# Altium PCB Minion_Rev2.PcbDoc (part 10 of 11)
Units mil, origin at the board's own origin, x right, y up, seen from the top; angles counter-clockwise.
Board outline 4724.41 x 6929.13 mil, 4 copper layers (L1, L2, L3, L4), stack 62.087 mil thick; 873 components, 147 nets, 5651 pads, 5666 vias.
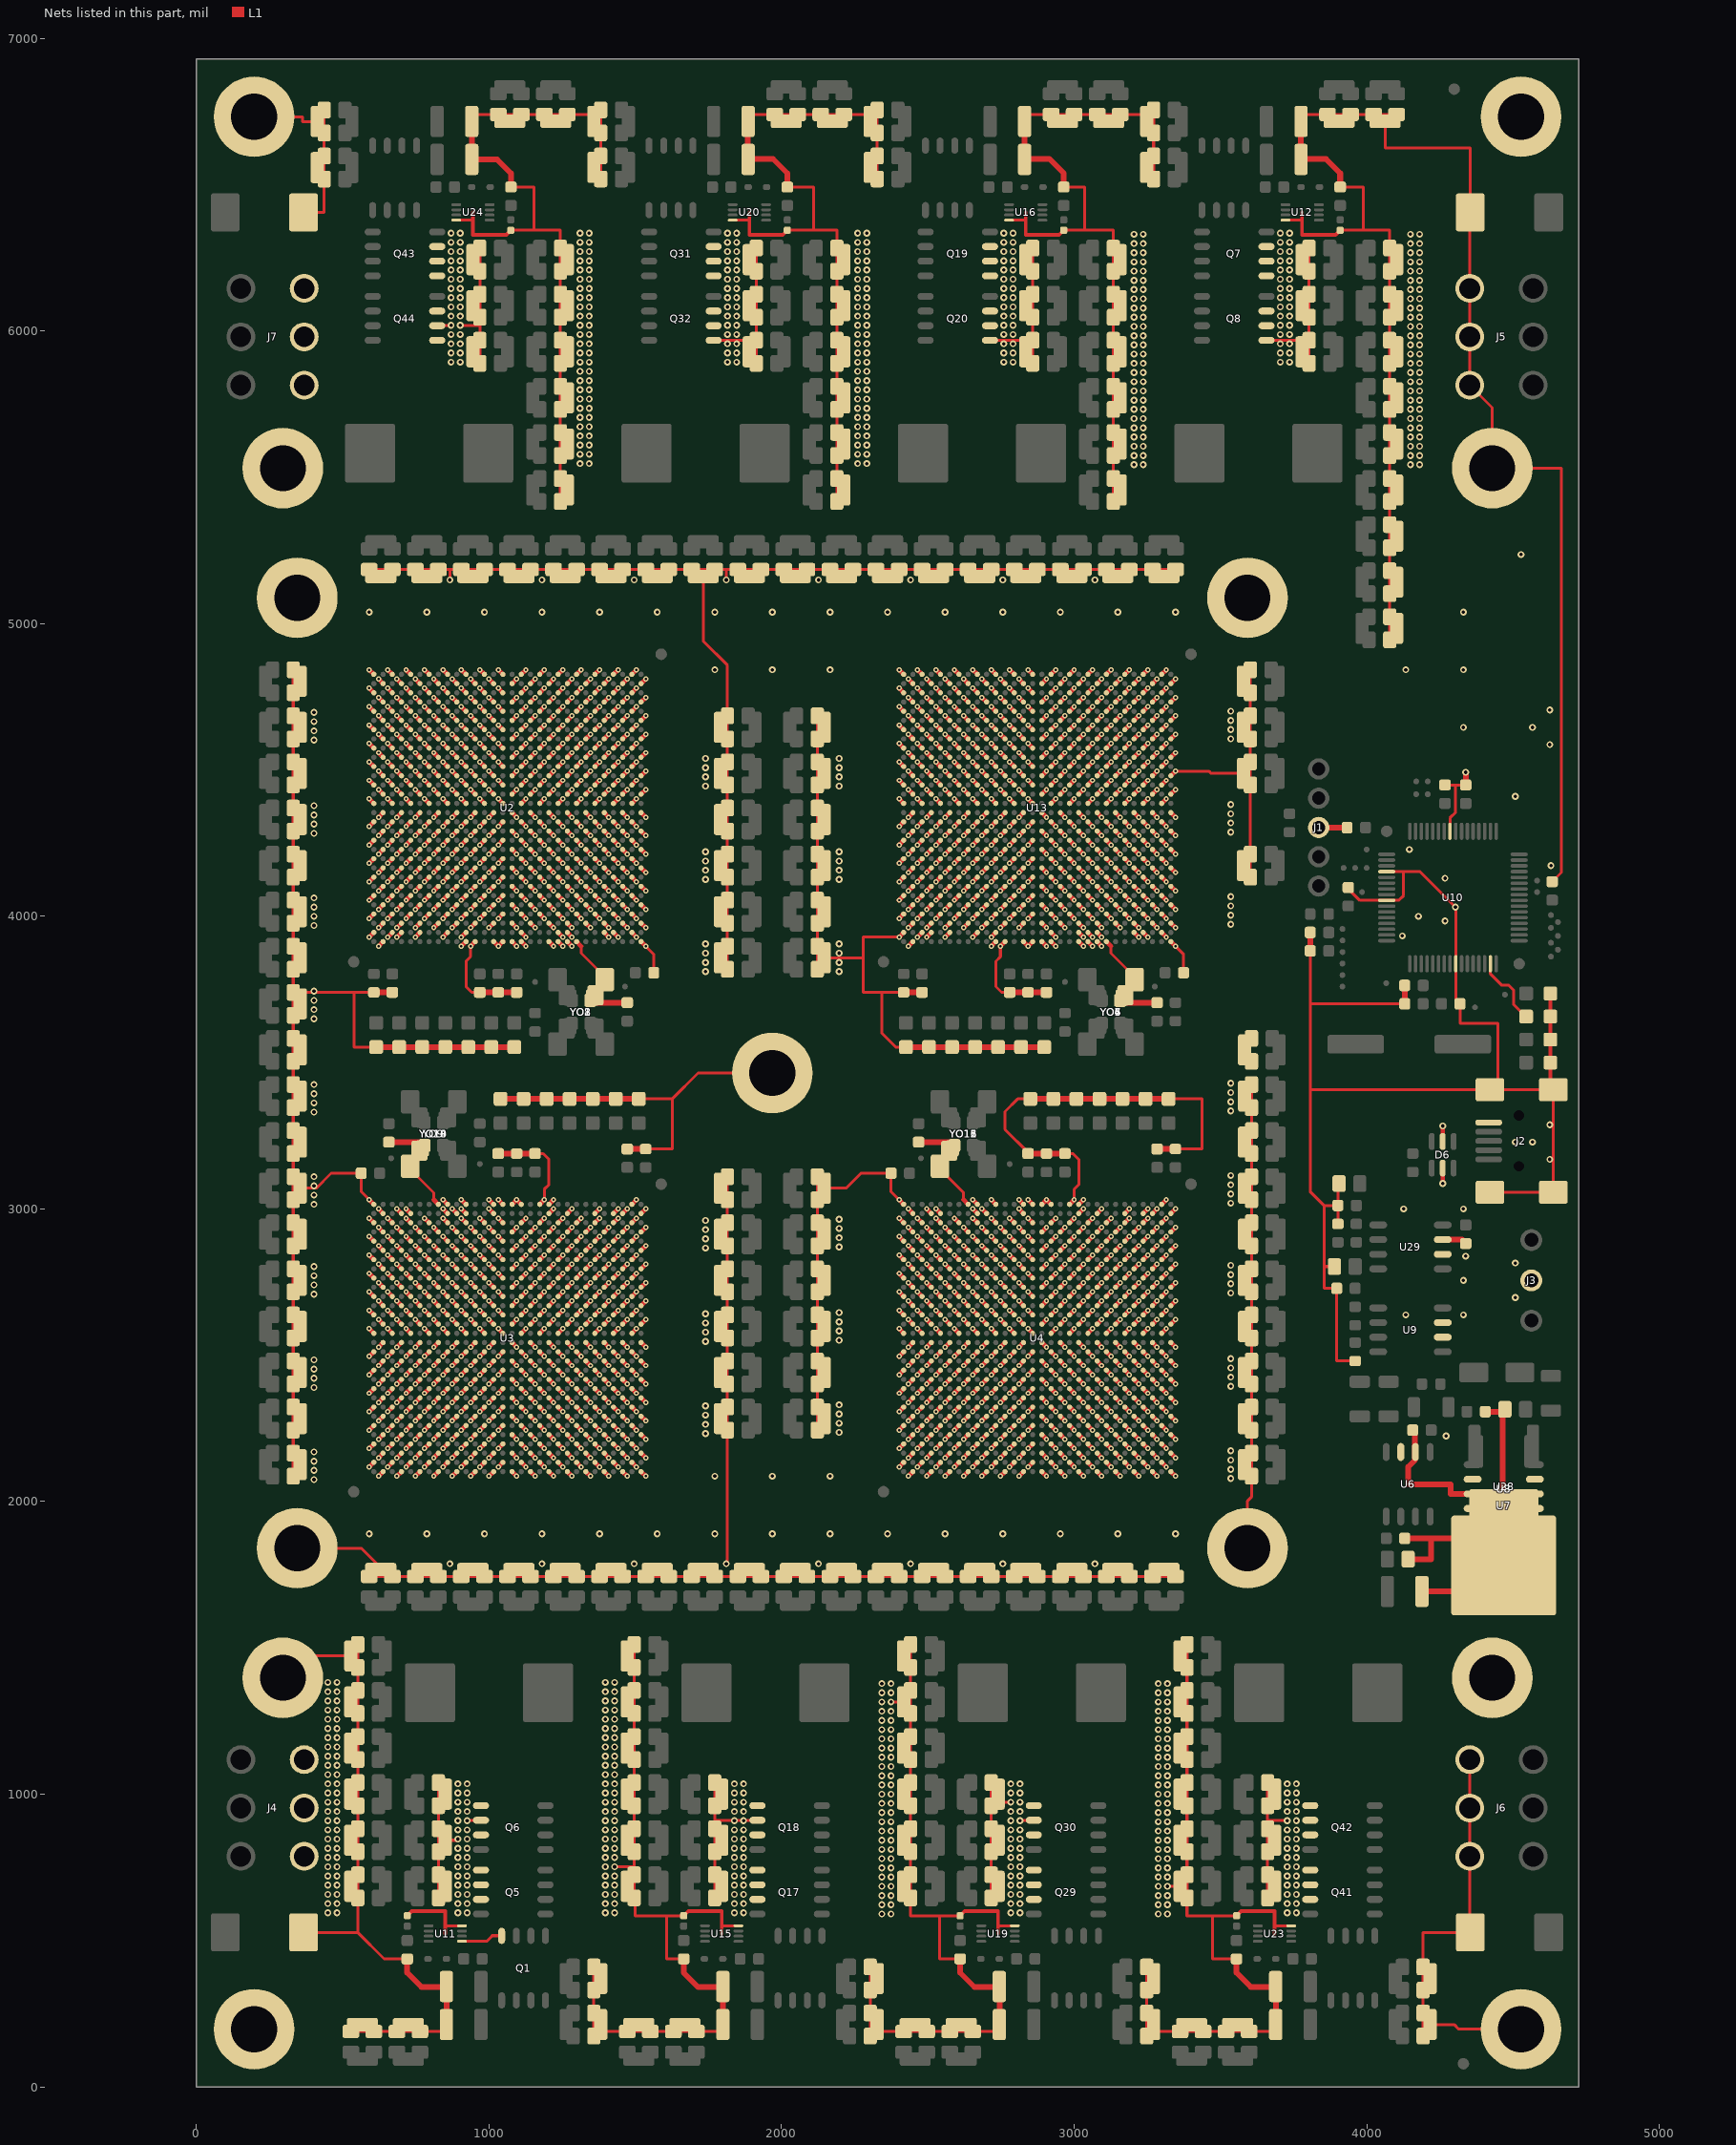
[diagram p12: the nets of this part, all layers, seen from the top]

## Via types
v1: diameter 17.72/17.72/17.72/17.72 (per signal layer), hole 7.87, L1 to L4, 3578 vias
v2: diameter 23.62/23.62/23.62/23.62 (per signal layer), hole 11.81, L1 to L4, 2088 vias

## Nets (pads, with @x,y where several pads share a name; then routed paths per layer and width w, separated by ;. In a path a pad name is that pad's centre, name@x,y a point inside that pad or via, vN(x,y) a via of type N, cw(c..) or ccw(c..) an arc to the next point about the centre after c; other vN are vias at no path point) (continued)
GND: (continued)
  L1 w15.75: v1(2622.05,2275.59) U4.G23@2637.8,2291.34 ; v1(2622.05,2338.58) U4.J23@2637.8,2354.33 ; v1(2622.05,2401.57) U4.L23@2637.8,2417.32 ; v1(2622.05,2464.57) U4.N23@2637.8,2480.31 ; v1(2622.05,2527.56) U4.R23@2637.8,2543.31 ; v1(2622.05,2622.05) U4.U23@2637.8,2606.3 ; v1(2622.05,2685.04) U4.W23@2637.8,2669.29 ; v1(2622.05,2748.03) U4.AA23@2637.8,2732.28 ; v1(2622.05,2811.02) U4.AC23@2637.8,2795.28 ; v1(2622.05,2874.02) U4.AE23@2637.8,2858.27 ; v1(2622.05,2937.01) U4.AG23@2637.8,2921.26 ; 2622.05,3031.5 U4.AK23@2637.8,3015.75 ; v1(2622.05,3960.63) U13.AH8@2637.8,3976.38 ; v1(2622.05,4023.62) U13.AF8@2637.8,4039.37 ; v1(2622.05,4086.61) U13.AD8@2637.8,4102.36 ; v1(2622.05,4149.61) U13.AB8@2637.8,4165.35 ; v1(2622.05,4212.6) U13.Y8@2637.8,4228.35 ; v1(2622.05,4275.59) U13.V8@2637.8,4291.34 ; v1(2622.05,4338.58) U13.T8@2637.8,4354.33 ; v1(2622.05,4433.07) U13.P8@2637.8,4417.32 ; v1(2622.05,4496.06) U13.M8@2637.8,4480.31 ; v1(2622.05,4559.06) U13.K8@2637.8,4543.31 ; v1(2622.05,4622.05) U13.H8@2637.8,4606.3 ; v1(2622.05,4685.04) U13.F8@2637.8,4669.29 ; v1(2622.05,4748.03) U13.D8@2637.8,4732.28 ; v1(2622.05,4811.02) U13.B8@2637.8,4795.28 ; v1(2653.54,2118.11) U4.B22@2669.29,2133.86 ; v1(2653.54,2181.1) U4.D22@2669.29,2196.85 ; v1(2653.54,2244.09) U4.F22@2669.29,2259.84 ; v1(2653.54,2307.09) U4.H22@2669.29,2322.83 ; v1(2653.54,2370.08) U4.K22@2669.29,2385.83 ; v1(2653.54,2433.07) U4.M22@2669.29,2448.82 ; v1(2653.54,2496.06) U4.P22@2669.29,2511.81 ; v1(2653.54,2590.55) U4.T22@2669.29,2574.8 ; v1(2653.54,2653.54) U4.V22@2669.29,2637.8 ; v1(2653.54,2716.54) U4.Y22@2669.29,2700.79 ; v1(2653.54,2779.53) U4.AB22@2669.29,2763.78 ; v1(2653.54,2842.52) U4.AD22@2669.29,2826.77 ; v1(2653.54,2905.51) U4.AF22@2669.29,2889.76 ; v1(2653.54,2968.5) U4.AH22@2669.29,2952.76 ; v1(2653.54,3000) U4.AJ22@2669.29,2984.25 ; v1(2653.54,3031.5) U4.AK22@2669.29,3015.75 ; v1(2653.54,3929.13) U13.AJ9@2669.29,3944.88 ; v1(2653.54,3992.13) U13.AG9@2669.29,4007.87 ; v1(2653.54,4055.12) U13.AE9@2669.29,4070.87 ; v1(2653.54,4118.11) U13.AC9@2669.29,4133.86 ; v1(2653.54,4181.1) U13.AA9@2669.29,4196.85 ; v1(2653.54,4244.09) U13.W9@2669.29,4259.84 ; v1(2653.54,4307.09) U13.U9@2669.29,4322.83 ; v1(2653.54,4401.57) U13.R9@2669.29,4385.83 ; v1(2653.54,4464.57) U13.N9@2669.29,4448.82 ; v1(2653.54,4527.56) U13.L9@2669.29,4511.81 ; v1(2653.54,4590.55) U13.J9@2669.29,4574.8 ; v1(2653.54,4653.54) U13.G9@2669.29,4637.8 ; v1(2653.54,4716.54) U13.E9@2669.29,4700.79 ; v1(2653.54,4779.53) U13.C9@2669.29,4763.78 ; v1(2653.54,4842.52) U13.A9@2669.29,4826.77 ; v1(2685.04,2086.61) U4.A21@2700.79,2102.36 ; v1(2685.04,2149.61) U4.C21@2700.79,2165.35 ; v1(2685.04,2212.6) U4.E21@2700.79,2228.35 ; v1(2685.04,2275.59) U4.G21@2700.79,2291.34 ; v1(2685.04,2338.58) U4.J21@2700.79,2354.33 ; v1(2685.04,2401.57) U4.L21@2700.79,2417.32 ; v1(2685.04,2464.57) U4.N21@2700.79,2480.31 ; v1(2685.04,2527.56) U4.R21@2700.79,2543.31 ; v1(2685.04,2622.05) U4.U21@2700.79,2606.3 ; v1(2685.04,2685.04) U4.W21@2700.79,2669.29 ; v1(2685.04,2748.03) U4.AA21@2700.79,2732.28 ; v1(2685.04,2811.02) U4.AC21@2700.79,2795.28 ; v1(2685.04,2874.02) U4.AE21@2700.79,2858.27 ; v1(2685.04,2937.01) U4.AG21@2700.79,2921.26 ; v1(2685.04,3000) U4.AJ21@2700.79,2984.25 ; v1(2685.04,3960.63) U13.AH10@2700.79,3976.38 ; v1(2685.04,4023.62) U13.AF10@2700.79,4039.37 ; v1(2685.04,4086.61) U13.AD10@2700.79,4102.36 ; v1(2685.04,4149.61) U13.AB10@2700.79,4165.35 ; v1(2685.04,4212.6) U13.Y10@2700.79,4228.35 ; v1(2685.04,4275.59) U13.V10@2700.79,4291.34 ; v1(2685.04,4338.58) U13.T10@2700.79,4354.33 ; v1(2685.04,4433.07) U13.P10@2700.79,4417.32 ; v1(2685.04,4496.06) U13.M10@2700.79,4480.31 ; v1(2685.04,4559.06) U13.K10@2700.79,4543.31 ; v1(2685.04,4622.05) U13.H10@2700.79,4606.3 ; v1(2685.04,4685.04) U13.F10@2700.79,4669.29 ; v1(2685.04,4748.03) U13.D10@2700.79,4732.28 ; v1(2685.04,4811.02) U13.B10@2700.79,4795.28 ; v1(2716.54,2118.11) U4.B20@2732.28,2133.86 ; v1(2716.54,2181.1) U4.D20@2732.28,2196.85 ; v1(2716.54,2244.09) U4.F20@2732.28,2259.84 ; v1(2716.54,2307.09) U4.H20@2732.28,2322.83 ; v1(2716.54,2370.08) U4.K20@2732.28,2385.83 ; v1(2716.54,2433.07) U4.M20@2732.28,2448.82 ; v1(2716.54,2496.06) U4.P20@2732.28,2511.81 ; v1(2716.54,2590.55) U4.T20@2732.28,2574.8 ; v1(2716.54,2653.54) U4.V20@2732.28,2637.8 ; v1(2716.54,2716.54) U4.Y20@2732.28,2700.79 ; v1(2716.54,2779.53) U4.AB20@2732.28,2763.78 ; v1(2716.54,2842.52) U4.AD20@2732.28,2826.77 ; v1(2716.54,2905.51) U4.AF20@2732.28,2889.76 ; v1(2716.54,2968.5) U4.AH20@2732.28,2952.76 ; v1(2716.54,3031.5) U4.AK20@2732.28,3015.75 ; v1(2716.54,3897.64) U13.AK11@2732.28,3913.39 ; v1(2716.54,3929.13) U13.AJ11@2732.28,3944.88 ; v1(2716.54,3992.13) U13.AG11@2732.28,4007.87 ; v1(2716.54,4055.12) U13.AE11@2732.28,4070.87 ; v1(2716.54,4118.11) U13.AC11@2732.28,4133.86 ; v1(2716.54,4181.1) U13.AA11@2732.28,4196.85 ; v1(2716.54,4244.09) U13.W11@2732.28,4259.84 ; v1(2716.54,4307.09) U13.U11@2732.28,4322.83 ; v1(2716.54,4401.57) U13.R11@2732.28,4385.83 ; v1(2716.54,4464.57) U13.N11@2732.28,4448.82 ; v1(2716.54,4527.56) U13.L11@2732.28,4511.81 ; v1(2716.54,4590.55) U13.J11@2732.28,4574.8 ; v1(2716.54,4653.54) U13.G11@2732.28,4637.8 ; v1(2716.54,4716.54) U13.E11@2732.28,4700.79 ; v1(2716.54,4779.53) U13.C11@2732.28,4763.78 ; v1(2716.54,4842.52) U13.A11@2732.28,4826.77 ; v1(2748.03,2086.61) U4.A19@2763.78,2102.36 ; v1(2748.03,2149.61) U4.C19@2763.78,2165.35 ; v1(2748.03,2212.6) U4.E19@2763.78,2228.35 ; v1(2748.03,2275.59) U4.G19@2763.78,2291.34 ; v1(2748.03,2338.58) U4.J19@2763.78,2354.33 ; v1(2748.03,2401.57) U4.L19@2763.78,2417.32 ; v1(2748.03,2464.57) U4.N19@2763.78,2480.31 ; v1(2748.03,2527.56) U4.R19@2763.78,2543.31 ; v1(2748.03,2622.05) U4.U19@2763.78,2606.3 ; v1(2748.03,2685.04) U4.W19@2763.78,2669.29 ; v1(2748.03,2748.03) U4.AA19@2763.78,2732.28 ; v1(2748.03,2811.02) U4.AC19@2763.78,2795.28 ; v1(2748.03,2874.02) U4.AE19@2763.78,2858.27 ; v1(2748.03,2937.01) U4.AG19@2763.78,2921.26 ; v1(2748.03,3897.64) U13.AK12@2763.78,3913.39 ; v1(2748.03,3960.63) U13.AH12@2763.78,3976.38 ; v1(2748.03,4023.62) U13.AF12@2763.78,4039.37 ; v1(2748.03,4086.61) U13.AD12@2763.78,4102.36 ; v1(2748.03,4149.61) U13.AB12@2763.78,4165.35 ; v1(2748.03,4212.6) U13.Y12@2763.78,4228.35 ; v1(2748.03,4275.59) U13.V12@2763.78,4291.34 ; v1(2748.03,4338.58) U13.T12@2763.78,4354.33 ; v1(2748.03,4433.07) U13.P12@2763.78,4417.32 ; v1(2748.03,4496.06) U13.M12@2763.78,4480.31 ; v1(2748.03,4559.06) U13.K12@2763.78,4543.31 ; v1(2748.03,4622.05) U13.H12@2763.78,4606.3 ; v1(2748.03,4685.04) U13.F12@2763.78,4669.29 ; v1(2748.03,4748.03) U13.D12@2763.78,4732.28 ; v1(2748.03,4811.02) U13.B12@2763.78,4795.28 ; v1(2779.53,2118.11) U4.B18@2795.28,2133.86 ; v1(2779.53,2181.1) U4.D18@2795.28,2196.85 ; v1(2779.53,2244.09) U4.F18@2795.28,2259.84 ; v1(2779.53,2307.09) U4.H18@2795.28,2322.83 ; v1(2779.53,2370.08) U4.K18@2795.28,2385.83 ; v1(2779.53,2433.07) U4.M18@2795.28,2448.82 ; v1(2779.53,2496.06) U4.P18@2795.28,2511.81 ; v1(2779.53,2590.55) U4.T18@2795.28,2574.8 ; v1(2779.53,2653.54) U4.V18@2795.28,2637.8 ; v1(2779.53,2716.54) U4.Y18@2795.28,2700.79 ; v1(2779.53,2779.53) U4.AB18@2795.28,2763.78 ; v1(2779.53,2842.52) U4.AD18@2795.28,2826.77 ; v1(2779.53,2905.51) U4.AF18@2795.28,2889.76 ; v1(2779.53,2968.5) U4.AH18@2795.28,2952.76 ; v1(2779.53,3992.13) U13.AG13@2795.28,4007.87 ; v1(2779.53,4055.12) U13.AE13@2795.28,4070.87 ; v1(2779.53,4118.11) U13.AC13@2795.28,4133.86 ; v1(2779.53,4181.1) U13.AA13@2795.28,4196.85 ; v1(2779.53,4244.09) U13.W13@2795.28,4259.84 ; v1(2779.53,4307.09) U13.U13@2795.28,4322.83 ; v1(2779.53,4401.57) U13.R13@2795.28,4385.83 ; v1(2779.53,4464.57) U13.N13@2795.28,4448.82 ; v1(2779.53,4527.56) U13.L13@2795.28,4511.81 ; v1(2779.53,4590.55) U13.J13@2795.28,4574.8 ; v1(2779.53,4653.54) U13.G13@2795.28,4637.8 ; v1(2779.53,4716.54) U13.E13@2795.28,4700.79 ; v1(2779.53,4779.53) U13.C13@2795.28,4763.78 ; v1(2779.53,4842.52) U13.A13@2795.28,4826.77 ; v1(2811.02,2086.61) U4.A17@2826.77,2102.36 ; v1(2811.02,2149.61) U4.C17@2826.77,2165.35 ; v1(2811.02,2212.6) U4.E17@2826.77,2228.35 ; v1(2811.02,2275.59) U4.G17@2826.77,2291.34 ; v1(2811.02,2338.58) U4.J17@2826.77,2354.33 ; v1(2811.02,2401.57) U4.L17@2826.77,2417.32 ; v1(2811.02,2464.57) U4.N17@2826.77,2480.31 ; v1(2811.02,2527.56) U4.R17@2826.77,2543.31 ; v1(2811.02,2622.05) U4.U17@2826.77,2606.3 ; v1(2811.02,2685.04) U4.W17@2826.77,2669.29 ; v1(2811.02,2748.03) U4.AA17@2826.77,2732.28 ; v1(2811.02,2811.02) U4.AC17@2826.77,2795.28 ; v1(2811.02,2874.02) U4.AE17@2826.77,2858.27 ; v1(2811.02,2937.01) U4.AG17@2826.77,2921.26 ; v1(2811.02,3000) U4.AJ17@2826.77,2984.25 ; v1(2811.02,3031.5) U4.AK17@2826.77,3015.75 ; v1(2811.02,3960.63) U13.AH14@2826.77,3976.38 ; v1(2811.02,4023.62) U13.AF14@2826.77,4039.37 ; v1(2811.02,4086.61) U13.AD14@2826.77,4102.36 ; v1(2811.02,4149.61) U13.AB14@2826.77,4165.35 ; v1(2811.02,4212.6) U13.Y14@2826.77,4228.35 ; v1(2811.02,4275.59) U13.V14@2826.77,4291.34 ; v1(2811.02,4338.58) U13.T14@2826.77,4354.33 ; v1(2811.02,4433.07) U13.P14@2826.77,4417.32 ; v1(2811.02,4496.06) U13.M14@2826.77,4480.31 ; v1(2811.02,4559.06) U13.K14@2826.77,4543.31 ; v1(2811.02,4622.05) U13.H14@2826.77,4606.3 ; v1(2811.02,4685.04) U13.F14@2826.77,4669.29 ; v1(2811.02,4748.03) U13.D14@2826.77,4732.28 ; v1(2811.02,4811.02) U13.B14@2826.77,4795.28 ; U13.AK14@2826.77,3913.39 v1(2842.52,3897.64) U13.AK15@2858.27,3913.39 ; v1(2842.52,2118.11) U4.B16@2858.27,2133.86 ; v1(2842.52,2181.1) U4.D16@2858.27,2196.85 ; v1(2842.52,2244.09) U4.F16@2858.27,2259.84 ; v1(2842.52,2307.09) U4.H16@2858.27,2322.83 ; v1(2842.52,2370.08) U4.K16@2858.27,2385.83 ; v1(2842.52,2433.07) U4.M16@2858.27,2448.82 ; v1(2842.52,2496.06) U4.P16@2858.27,2511.81 ; v1(2842.52,2590.55) U4.T16@2858.27,2574.8 ; v1(2842.52,2653.54) U4.V16@2858.27,2637.8 ; v1(2842.52,2716.54) U4.Y16@2858.27,2700.79 ; v1(2842.52,2779.53) U4.AB16@2858.27,2763.78 ; v1(2842.52,2842.52) U4.AD16@2858.27,2826.77 ; v1(2842.52,2905.51) U4.AF16@2858.27,2889.76 ; v1(2842.52,2968.5) U4.AH16@2858.27,2952.76 ; v1(2842.52,3031.5) U4.AK16@2858.27,3015.75 ; v1(2842.52,3992.13) U13.AG15@2858.27,4007.87 ; v1(2842.52,4055.12) U13.AE15@2858.27,4070.87 ; v1(2842.52,4118.11) U13.AC15@2858.27,4133.86 ; v1(2842.52,4181.1) U13.AA15@2858.27,4196.85 ; v1(2842.52,4244.09) U13.W15@2858.27,4259.84 ; v1(2842.52,4307.09) U13.U15@2858.27,4322.83 ; v1(2842.52,4401.57) U13.R15@2858.27,4385.83 ; v1(2842.52,4464.57) U13.N15@2858.27,4448.82 ; v1(2842.52,4527.56) U13.L15@2858.27,4511.81 ; v1(2842.52,4590.55) U13.J15@2858.27,4574.8 ; v1(2842.52,4653.54) U13.G15@2858.27,4637.8 ; v1(2842.52,4716.54) U13.E15@2858.27,4700.79 ; v1(2842.52,4779.53) U13.C15@2858.27,4763.78 ; v1(2842.52,4842.52) U13.A15@2858.27,4826.77 ; U4.A15@2889.76,2102.36 v1(2905.51,2086.61) ; U4.C15@2889.76,2165.35 v1(2905.51,2149.61) ; U4.E15@2889.76,2228.35 v1(2905.51,2212.6) ; U4.G15@2889.76,2291.34 v1(2905.51,2275.59) ; U4.J15@2889.76,2354.33 v1(2905.51,2338.58) ; U4.L15@2889.76,2417.32 v1(2905.51,2401.57) ; U4.N15@2889.76,2480.31 v1(2905.51,2464.57) ; U4.R15@2889.76,2543.31 v1(2905.51,2527.56) ; U4.U15@2889.76,2606.3 v1(2905.51,2622.05) ; U4.W15@2889.76,2669.29 v1(2905.51,2685.04) ; U4.AA15@2889.76,2732.28 v1(2905.51,2748.03) ; U4.AC15@2889.76,2795.28 v1(2905.51,2811.02) ; U4.AE15@2889.76,2858.27 v1(2905.51,2874.02) ; U4.AG15@2889.76,2921.26 v1(2905.51,2937.01) ; U4.AK15@2889.76,3015.75 v1(2905.51,3031.5) U4.AK14@2921.26,3015.75 ; U13.AK16@2889.76,3913.39 v1(2905.51,3897.64) ; U13.AH16@2889.76,3976.38 v1(2905.51,3960.63) ; U13.AF16@2889.76,4039.37 v1(2905.51,4023.62) ; U13.AD16@2889.76,4102.36 v1(2905.51,4086.61) ; U13.AB16@2889.76,4165.35 v1(2905.51,4149.61) ; U13.Y16@2889.76,4228.35 v1(2905.51,4212.6) ; U13.V16@2889.76,4291.34 v1(2905.51,4275.59) ; U13.T16@2889.76,4354.33 v1(2905.51,4338.58) ; U13.P16@2889.76,4417.32 v1(2905.51,4433.07) ; U13.M16@2889.76,4480.31 v1(2905.51,4496.06) ; U13.K16@2889.76,4543.31 v1(2905.51,4559.06) ; U13.H16@2889.76,4606.3 v1(2905.51,4622.05) ; U13.F16@2889.76,4669.29 v1(2905.51,4685.04) ; U13.D16@2889.76,4732.28 v1(2905.51,4748.03) ; U13.B16@2889.76,4795.28 v1(2905.51,4811.02) ; U4.B14@2921.26,2133.86 v1(2937.01,2118.11) ; U4.D14@2921.26,2196.85 v1(2937.01,2181.1) ; U4.F14@2921.26,2259.84 v1(2937.01,2244.09) ; U4.H14@2921.26,2322.83 v1(2937.01,2307.09) ; U4.K14@2921.26,2385.83 v1(2937.01,2370.08) ; U4.M14@2921.26,2448.82 v1(2937.01,2433.07) ; U4.P14@2921.26,2511.81 v1(2937.01,2496.06) ; U4.T14@2921.26,2574.8 v1(2937.01,2590.55) ; U4.V14@2921.26,2637.8 v1(2937.01,2653.54) ; U4.Y14@2921.26,2700.79 v1(2937.01,2716.54) ; U4.AB14@2921.26,2763.78 v1(2937.01,2779.53) ; U4.AD14@2921.26,2826.77 v1(2937.01,2842.52) ; U4.AF14@2921.26,2889.76 v1(2937.01,2905.51) ; U4.AH14@2921.26,2952.76 v1(2937.01,2968.5) ; U13.AK17@2921.26,3913.39 v1(2937.01,3897.64) ; U13.AJ17@2921.26,3944.88 v1(2937.01,3929.13) ; U13.AG17@2921.26,4007.87 v1(2937.01,3992.13) ; U13.AE17@2921.26,4070.87 v1(2937.01,4055.12) ; U13.AC17@2921.26,4133.86 v1(2937.01,4118.11) ; U13.AA17@2921.26,4196.85 v1(2937.01,4181.1) ; U13.W17@2921.26,4259.84 v1(2937.01,4244.09) ; U13.U17@2921.26,4322.83 v1(2937.01,4307.09) ; U13.R17@2921.26,4385.83 v1(2937.01,4401.57) ; U13.N17@2921.26,4448.82 v1(2937.01,4464.57) ; U13.L17@2921.26,4511.81 v1(2937.01,4527.56) ; U13.J17@2921.26,4574.8 v1(2937.01,4590.55) ; U13.G17@2921.26,4637.8 v1(2937.01,4653.54) ; U13.E17@2921.26,4700.79 v1(2937.01,4716.54) ; U13.C17@2921.26,4763.78 v1(2937.01,4779.53) ; U13.A17@2921.26,4826.77 v1(2937.01,4842.52) ; U4.A13@2952.76,2102.36 v1(2968.5,2086.61) ; U4.C13@2952.76,2165.35 v1(2968.5,2149.61) ; U4.E13@2952.76,2228.35 v1(2968.5,2212.6) ; U4.G13@2952.76,2291.34 v1(2968.5,2275.59) ; U4.J13@2952.76,2354.33 v1(2968.5,2338.58) ; U4.L13@2952.76,2417.32 v1(2968.5,2401.57) ; U4.N13@2952.76,2480.31 v1(2968.5,2464.57) ; U4.R13@2952.76,2543.31 v1(2968.5,2527.56) ; U4.U13@2952.76,2606.3 v1(2968.5,2622.05) ; U4.W13@2952.76,2669.29 v1(2968.5,2685.04) ; U4.AA13@2952.76,2732.28 v1(2968.5,2748.03) ; U4.AC13@2952.76,2795.28 v1(2968.5,2811.02) ; U4.AE13@2952.76,2858.27 v1(2968.5,2874.02) ; U4.AG13@2952.76,2921.26 v1(2968.5,2937.01) ; U13.AH18@2952.76,3976.38 v1(2968.5,3960.63) ; U13.AF18@2952.76,4039.37 v1(2968.5,4023.62) ; U13.AD18@2952.76,4102.36 v1(2968.5,4086.61) ; U13.AB18@2952.76,4165.35 v1(2968.5,4149.61) ; U13.Y18@2952.76,4228.35 v1(2968.5,4212.6) ; U13.V18@2952.76,4291.34 v1(2968.5,4275.59) ; U13.T18@2952.76,4354.33 v1(2968.5,4338.58) ; U13.P18@2952.76,4417.32 v1(2968.5,4433.07) ; U13.M18@2952.76,4480.31 v1(2968.5,4496.06) ; U13.K18@2952.76,4543.31 v1(2968.5,4559.06) ; U13.H18@2952.76,4606.3 v1(2968.5,4622.05) ; U13.F18@2952.76,4669.29 v1(2968.5,4685.04) ; U13.D18@2952.76,4732.28 v1(2968.5,4748.03) ; U13.B18@2952.76,4795.28 v1(2968.5,4811.02) ; U4.B12@2984.25,2133.86 v1(3000,2118.11) ; U4.D12@2984.25,2196.85 v1(3000,2181.1) ; U4.F12@2984.25,2259.84 v1(3000,2244.09) ; U4.H12@2984.25,2322.83 v1(3000,2307.09) ; U4.K12@2984.25,2385.83 v1(3000,2370.08) ; U4.M12@2984.25,2448.82 v1(3000,2433.07) ; U4.P12@2984.25,2511.81 v1(3000,2496.06) ; U4.T12@2984.25,2574.8 v1(3000,2590.55) ; U4.V12@2984.25,2637.8 v1(3000,2653.54) ; U4.Y12@2984.25,2700.79 v1(3000,2716.54) ; U4.AB12@2984.25,2763.78 v1(3000,2779.53) ; U4.AD12@2984.25,2826.77 v1(3000,2842.52) ; U4.AF12@2984.25,2889.76 v1(3000,2905.51) ; U4.AH12@2984.25,2952.76 v1(3000,2968.5) ; U4.AK12@2984.25,3015.75 v1(3000,3031.5) ; U13.AG19@2984.25,4007.87 v1(3000,3992.13) ; U13.AE19@2984.25,4070.87 v1(3000,4055.12) ; U13.AC19@2984.25,4133.86 v1(3000,4118.11) ; U13.AA19@2984.25,4196.85 v1(3000,4181.1) ; U13.W19@2984.25,4259.84 v1(3000,4244.09) ; U13.U19@2984.25,4322.83 v1(3000,4307.09) ; U13.R19@2984.25,4385.83 v1(3000,4401.57) ; U13.N19@2984.25,4448.82 v1(3000,4464.57) ; U13.L19@2984.25,4511.81 v1(3000,4527.56) ; U13.J19@2984.25,4574.8 v1(3000,4590.55) ; U13.G19@2984.25,4637.8 v1(3000,4653.54) ; U13.E19@2984.25,4700.79 v1(3000,4716.54) ; U13.C19@2984.25,4763.78 v1(3000,4779.53) ; U13.A19@2984.25,4826.77 v1(3000,4842.52) ; U4.A11@3015.75,2102.36 v1(3031.5,2086.61) ; U4.C11@3015.75,2165.35 v1(3031.5,2149.61) ; U4.E11@3015.75,2228.35 v1(3031.5,2212.6) ; U4.G11@3015.75,2291.34 v1(3031.5,2275.59) ; U4.J11@3015.75,2354.33 v1(3031.5,2338.58) ; U4.L11@3015.75,2417.32 v1(3031.5,2401.57) ; U4.N11@3015.75,2480.31 v1(3031.5,2464.57) ; U4.R11@3015.75,2543.31 v1(3031.5,2527.56) ; U4.U11@3015.75,2606.3 v1(3031.5,2622.05) ; U4.W11@3015.75,2669.29 v1(3031.5,2685.04) ; U4.AA11@3015.75,2732.28 v1(3031.5,2748.03) ; U4.AC11@3015.75,2795.28 v1(3031.5,2811.02) ; U4.AE11@3015.75,2858.27 v1(3031.5,2874.02) ; U4.AG11@3015.75,2921.26 v1(3031.5,2937.01) ; U4.AJ11@3015.75,2984.25 v1(3031.5,3000) ; U4.AK11@3015.75,3015.75 v1(3031.5,3031.5) ; U13.AK20@3015.75,3913.39 v1(3031.5,3897.64) ; U13.AJ20@3015.75,3944.88 v1(3031.5,3929.13) ; U13.AH20@3015.75,3976.38 v1(3031.5,3960.63) ; U13.AF20@3015.75,4039.37 v1(3031.5,4023.62) ; U13.AD20@3015.75,4102.36 v1(3031.5,4086.61) ; U13.AB20@3015.75,4165.35 v1(3031.5,4149.61) ; U13.Y20@3015.75,4228.35 v1(3031.5,4212.6) ; U13.V20@3015.75,4291.34 v1(3031.5,4275.59) ; U13.T20@3015.75,4354.33 v1(3031.5,4338.58) ; U13.P20@3015.75,4417.32 v1(3031.5,4433.07) ; U13.M20@3015.75,4480.31 v1(3031.5,4496.06) ; U13.K20@3015.75,4543.31 v1(3031.5,4559.06) ; U13.H20@3015.75,4606.3 v1(3031.5,4622.05) ; U13.F20@3015.75,4669.29 v1(3031.5,4685.04) ; U13.D20@3015.75,4732.28 v1(3031.5,4748.03) ; U13.B20@3015.75,4795.28 v1(3031.5,4811.02) ; U4.B10@3047.24,2133.86 v1(3062.99,2118.11) ; U4.D10@3047.24,2196.85 v1(3062.99,2181.1) ; U4.F10@3047.24,2259.84 v1(3062.99,2244.09) ; U4.H10@3047.24,2322.83 v1(3062.99,2307.09) ; U4.K10@3047.24,2385.83 v1(3062.99,2370.08) ; U4.M10@3047.24,2448.82 v1(3062.99,2433.07) ; U4.P10@3047.24,2511.81 v1(3062.99,2496.06) ; U4.T10@3047.24,2574.8 v1(3062.99,2590.55) ; U4.V10@3047.24,2637.8 v1(3062.99,2653.54) ; U4.Y10@3047.24,2700.79 v1(3062.99,2716.54) ; U4.AB10@3047.24,2763.78 v1(3062.99,2779.53) ; U4.AD10@3047.24,2826.77 v1(3062.99,2842.52) ; U4.AF10@3047.24,2889.76 v1(3062.99,2905.51) ; U4.AH10@3047.24,2952.76 v1(3062.99,2968.5) ; U13.AK21@3047.24,3913.39 v1(3062.99,3897.64) ; U13.AJ21@3047.24,3944.88 v1(3062.99,3929.13) ; U13.AG21@3047.24,4007.87 v1(3062.99,3992.13) ; U13.AE21@3047.24,4070.87 v1(3062.99,4055.12) ; U13.AC21@3047.24,4133.86 v1(3062.99,4118.11) ; U13.AA21@3047.24,4196.85 v1(3062.99,4181.1) ; U13.W21@3047.24,4259.84 v1(3062.99,4244.09) ; U13.U21@3047.24,4322.83 v1(3062.99,4307.09) ; U13.R21@3047.24,4385.83 v1(3062.99,4401.57) ; U13.N21@3047.24,4448.82 v1(3062.99,4464.57) ; U13.L21@3047.24,4511.81 v1(3062.99,4527.56) ; U13.J21@3047.24,4574.8 v1(3062.99,4590.55) ; U13.G21@3047.24,4637.8 v1(3062.99,4653.54) ; U13.E21@3047.24,4700.79 v1(3062.99,4716.54) ; U13.C21@3047.24,4763.78 v1(3062.99,4779.53) ; U13.A21@3047.24,4826.77 v1(3062.99,4842.52) ; U4.A9@3078.74,2102.36 v1(3094.49,2086.61) ; U4.C9@3078.74,2165.35 v1(3094.49,2149.61) ; U4.E9@3078.74,2228.35 v1(3094.49,2212.6) ; U4.G9@3078.74,2291.34 v1(3094.49,2275.59) ; U4.J9@3078.74,2354.33 v1(3094.49,2338.58) ; U4.L9@3078.74,2417.32 v1(3094.49,2401.57) ; U4.N9@3078.74,2480.31 v1(3094.49,2464.57) ; U4.R9@3078.74,2543.31 v1(3094.49,2527.56) ; U4.U9@3078.74,2606.3 v1(3094.49,2622.05) ; U4.W9@3078.74,2669.29 v1(3094.49,2685.04) ; U4.AA9@3078.74,2732.28 v1(3094.49,2748.03) ; U4.AC9@3078.74,2795.28 v1(3094.49,2811.02) ; U4.AE9@3078.74,2858.27 v1(3094.49,2874.02) ; U4.AG9@3078.74,2921.26 v1(3094.49,2937.01) ; U4.AJ9@3078.74,2984.25 v1(3094.49,3000) ; U13.AK22@3078.74,3913.39 v1(3094.49,3897.64) ; U13.AJ22@3078.74,3944.88 v1(3094.49,3929.13) ; U13.AH22@3078.74,3976.38 v1(3094.49,3960.63) ; U13.AF22@3078.74,4039.37 v1(3094.49,4023.62) ; U13.AD22@3078.74,4102.36 v1(3094.49,4086.61) ; U13.AB22@3078.74,4165.35 v1(3094.49,4149.61) ; U13.Y22@3078.74,4228.35 v1(3094.49,4212.6) ; U13.V22@3078.74,4291.34 v1(3094.49,4275.59) ; U13.T22@3078.74,4354.33 v1(3094.49,4338.58) ; U13.P22@3078.74,4417.32 v1(3094.49,4433.07) ; U13.M22@3078.74,4480.31 v1(3094.49,4496.06) ; U13.K22@3078.74,4543.31 v1(3094.49,4559.06) ; U13.H22@3078.74,4606.3 v1(3094.49,4622.05) ; U13.F22@3078.74,4669.29 v1(3094.49,4685.04) ; U13.D22@3078.74,4732.28 